# Altium PCB Hall Board.PcbDoc (part 1 of 4)
Units mil, origin at the board's own origin, x right, y up, seen from the top; angles counter-clockwise.
Board outline 5491 x 4230 mil, 4 copper layers (Top Layer, Internal Plane 1, Internal Plane 2, Bottom Layer), stack 18.2 mil thick; 462 components, 334 nets, 1357 pads, 212 vias.
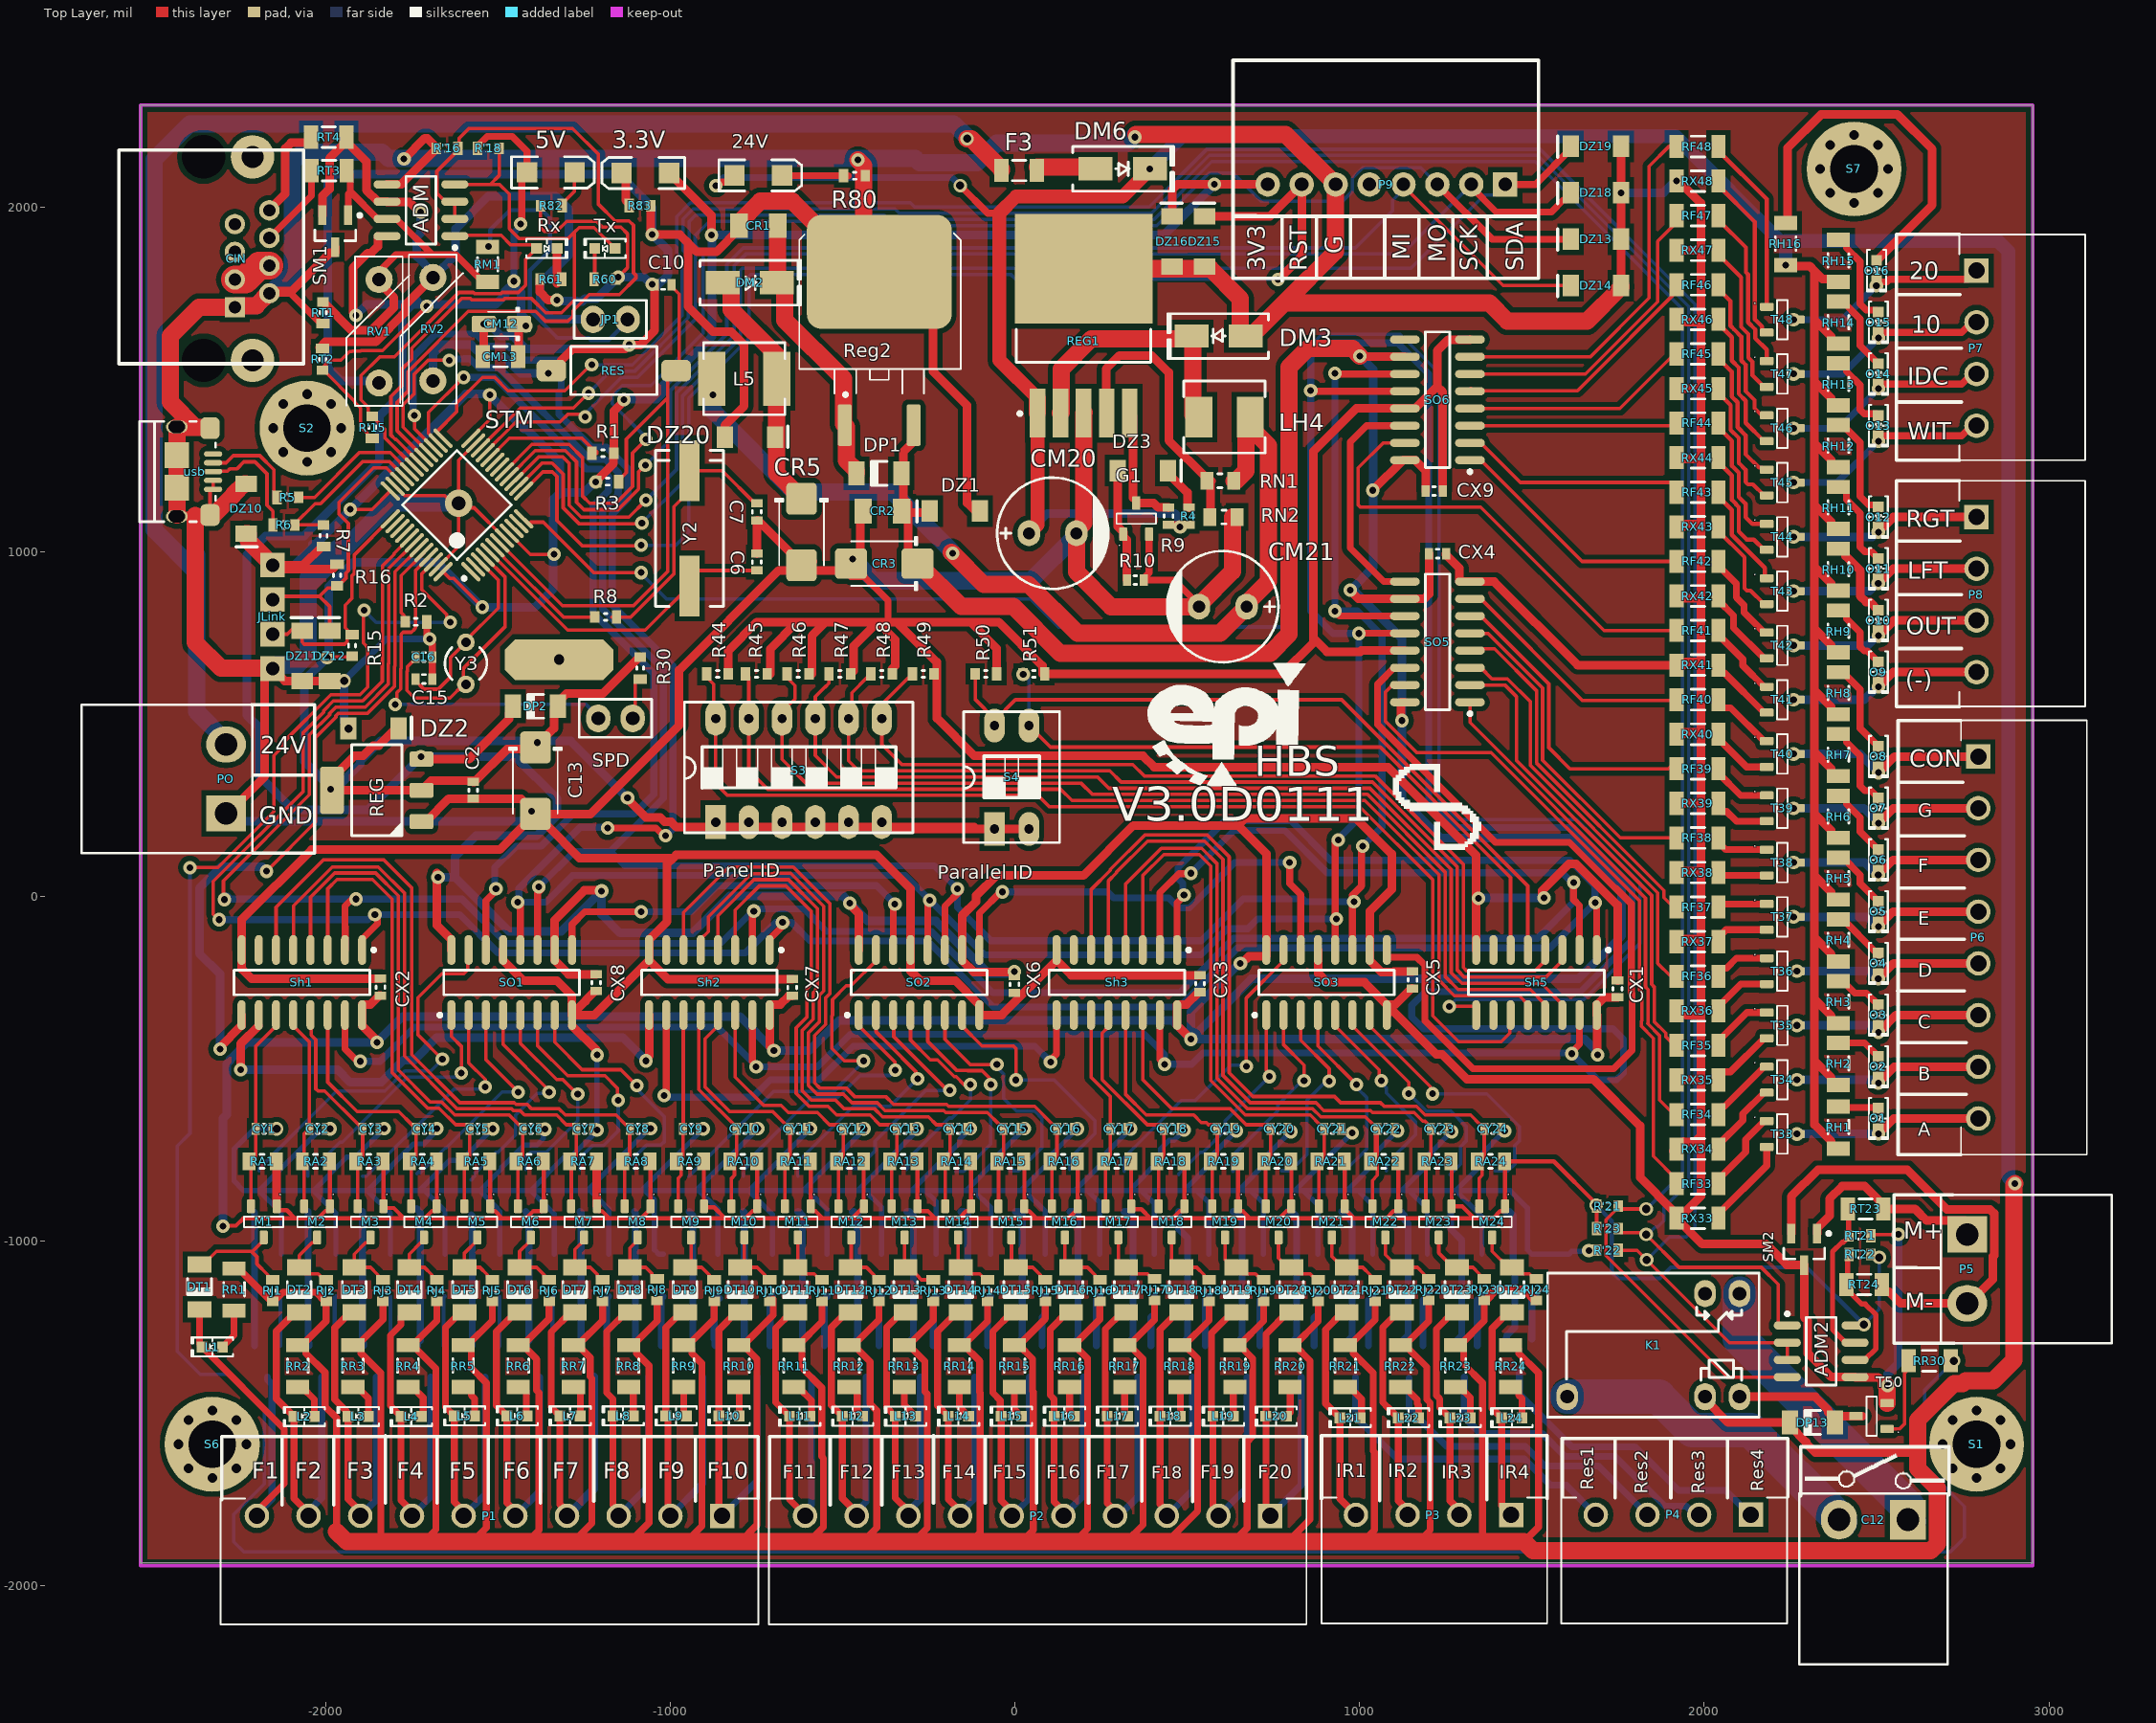
[diagram p0: Top Layer view]
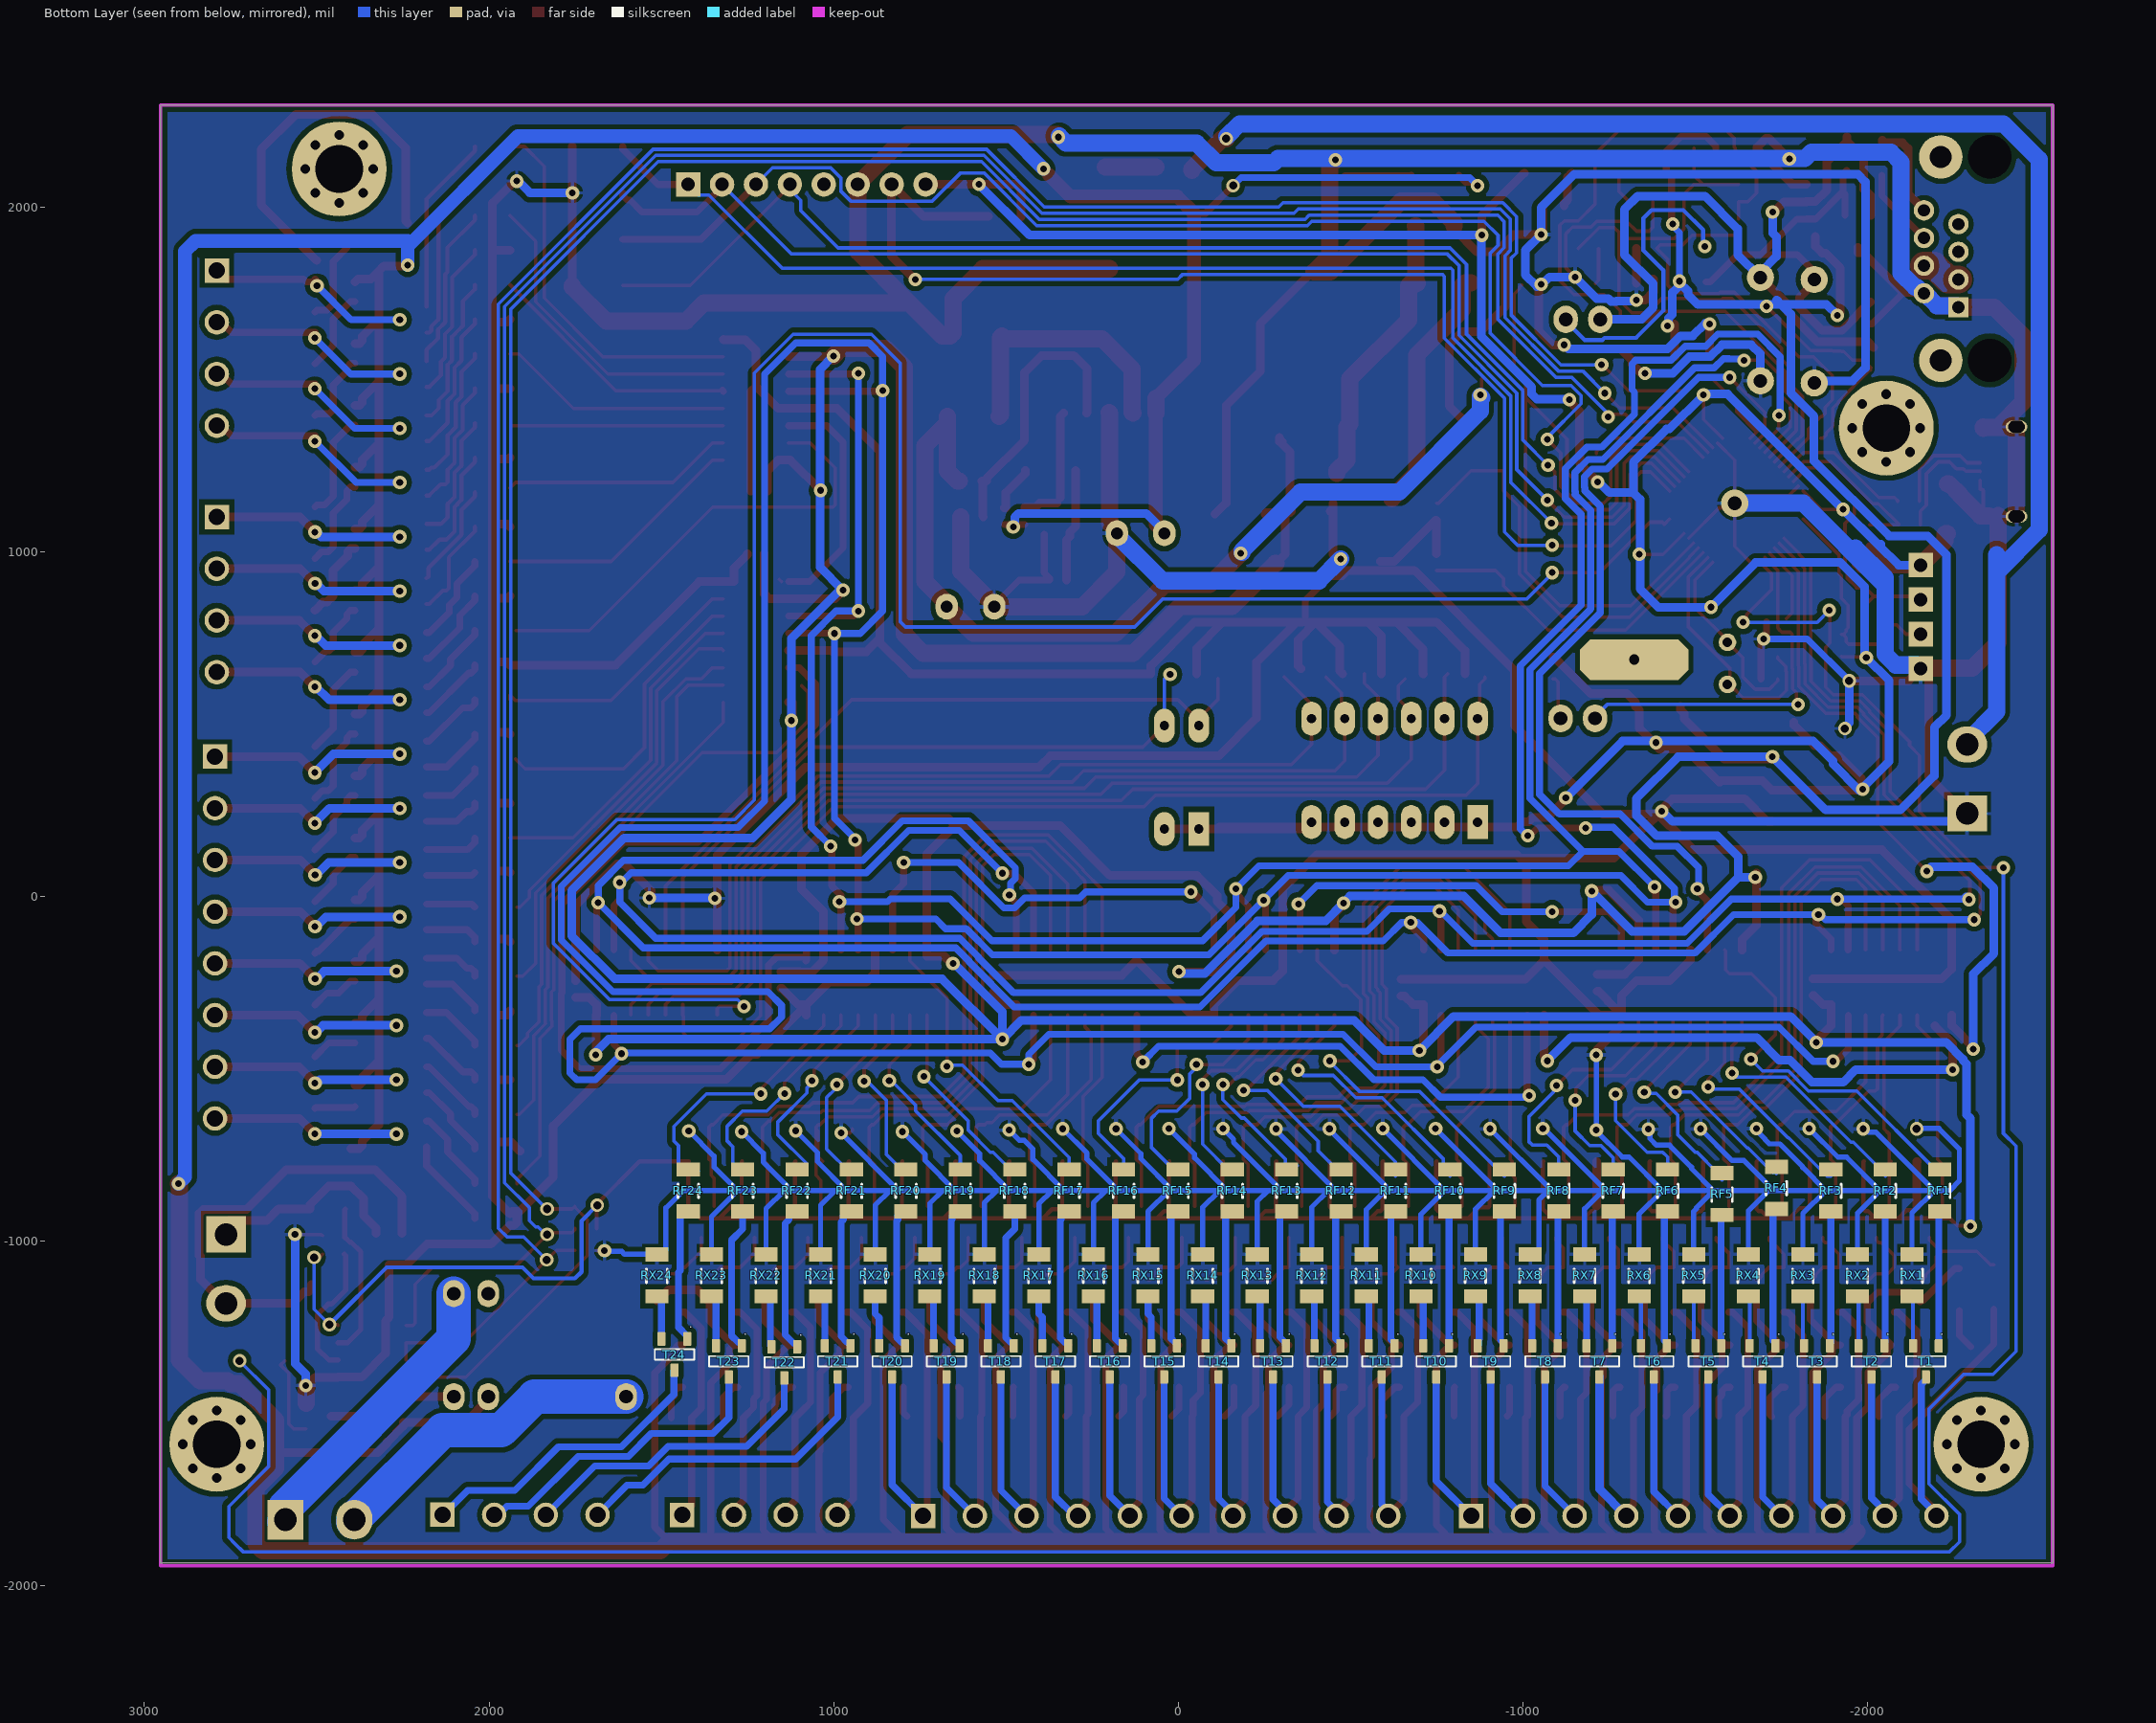
[diagram p1: Bottom Layer view, seen from below]
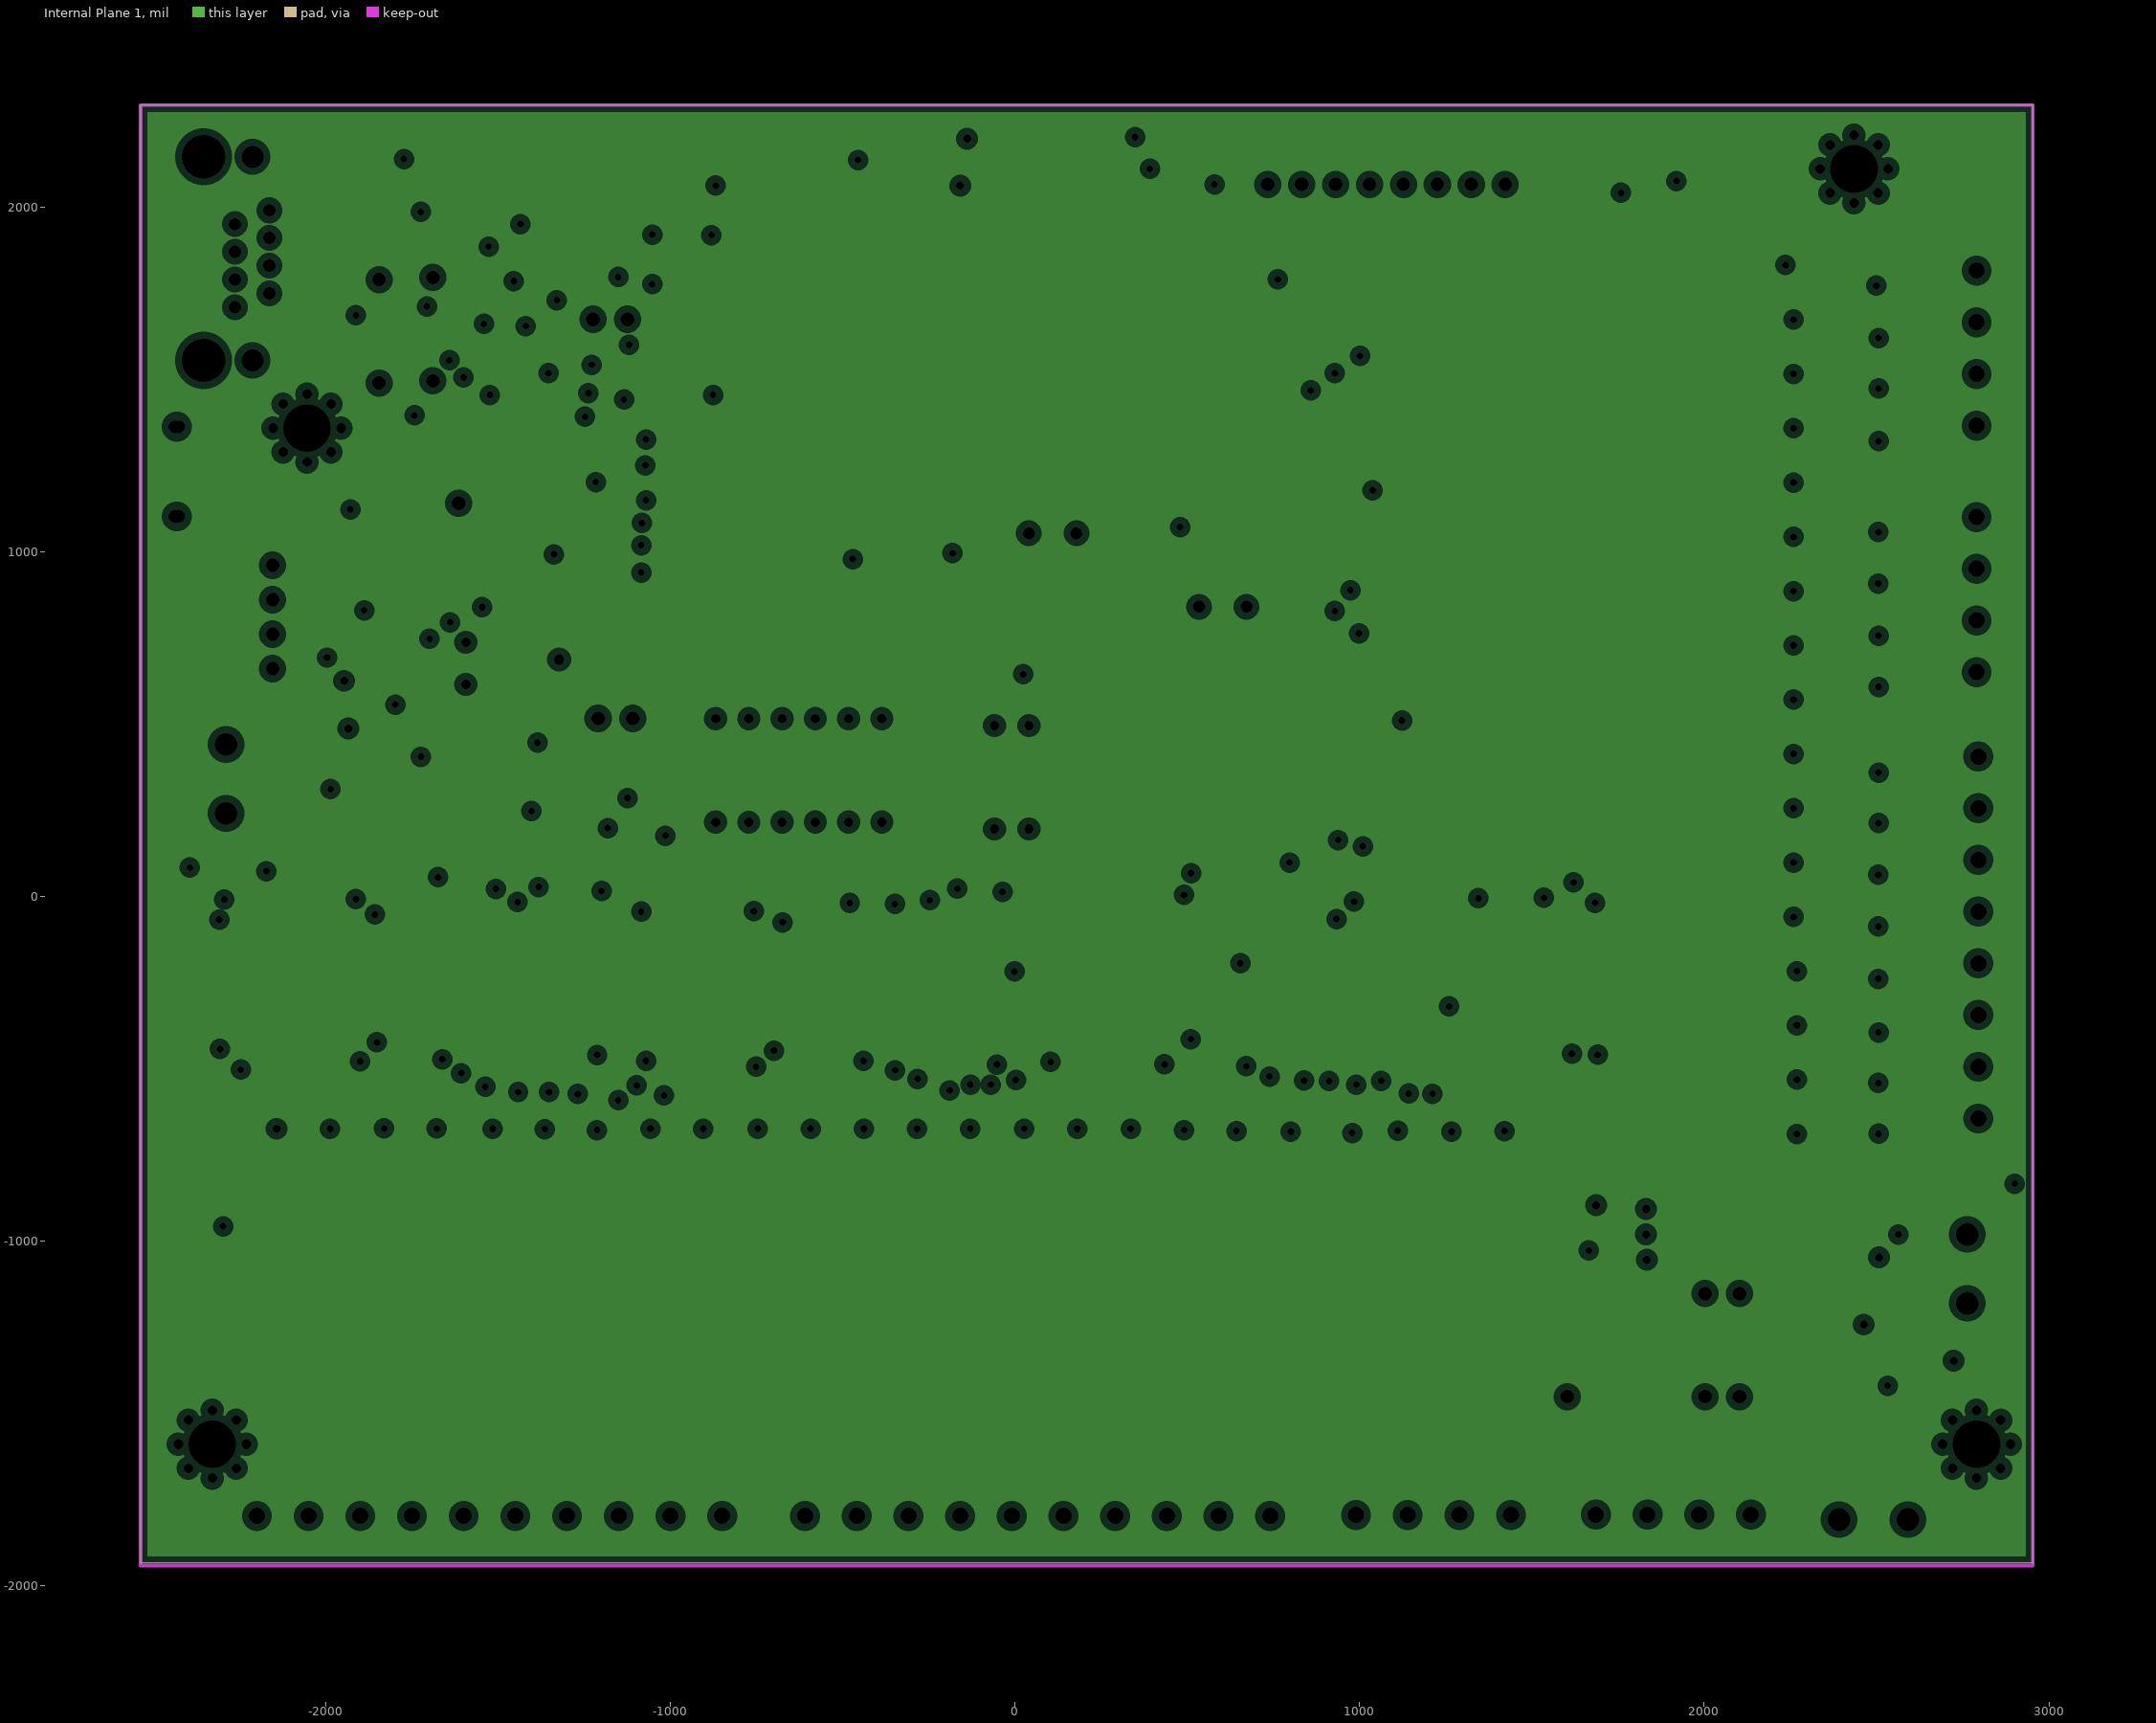
[diagram p2: Internal Plane 1, clearances drawn from the general rule]
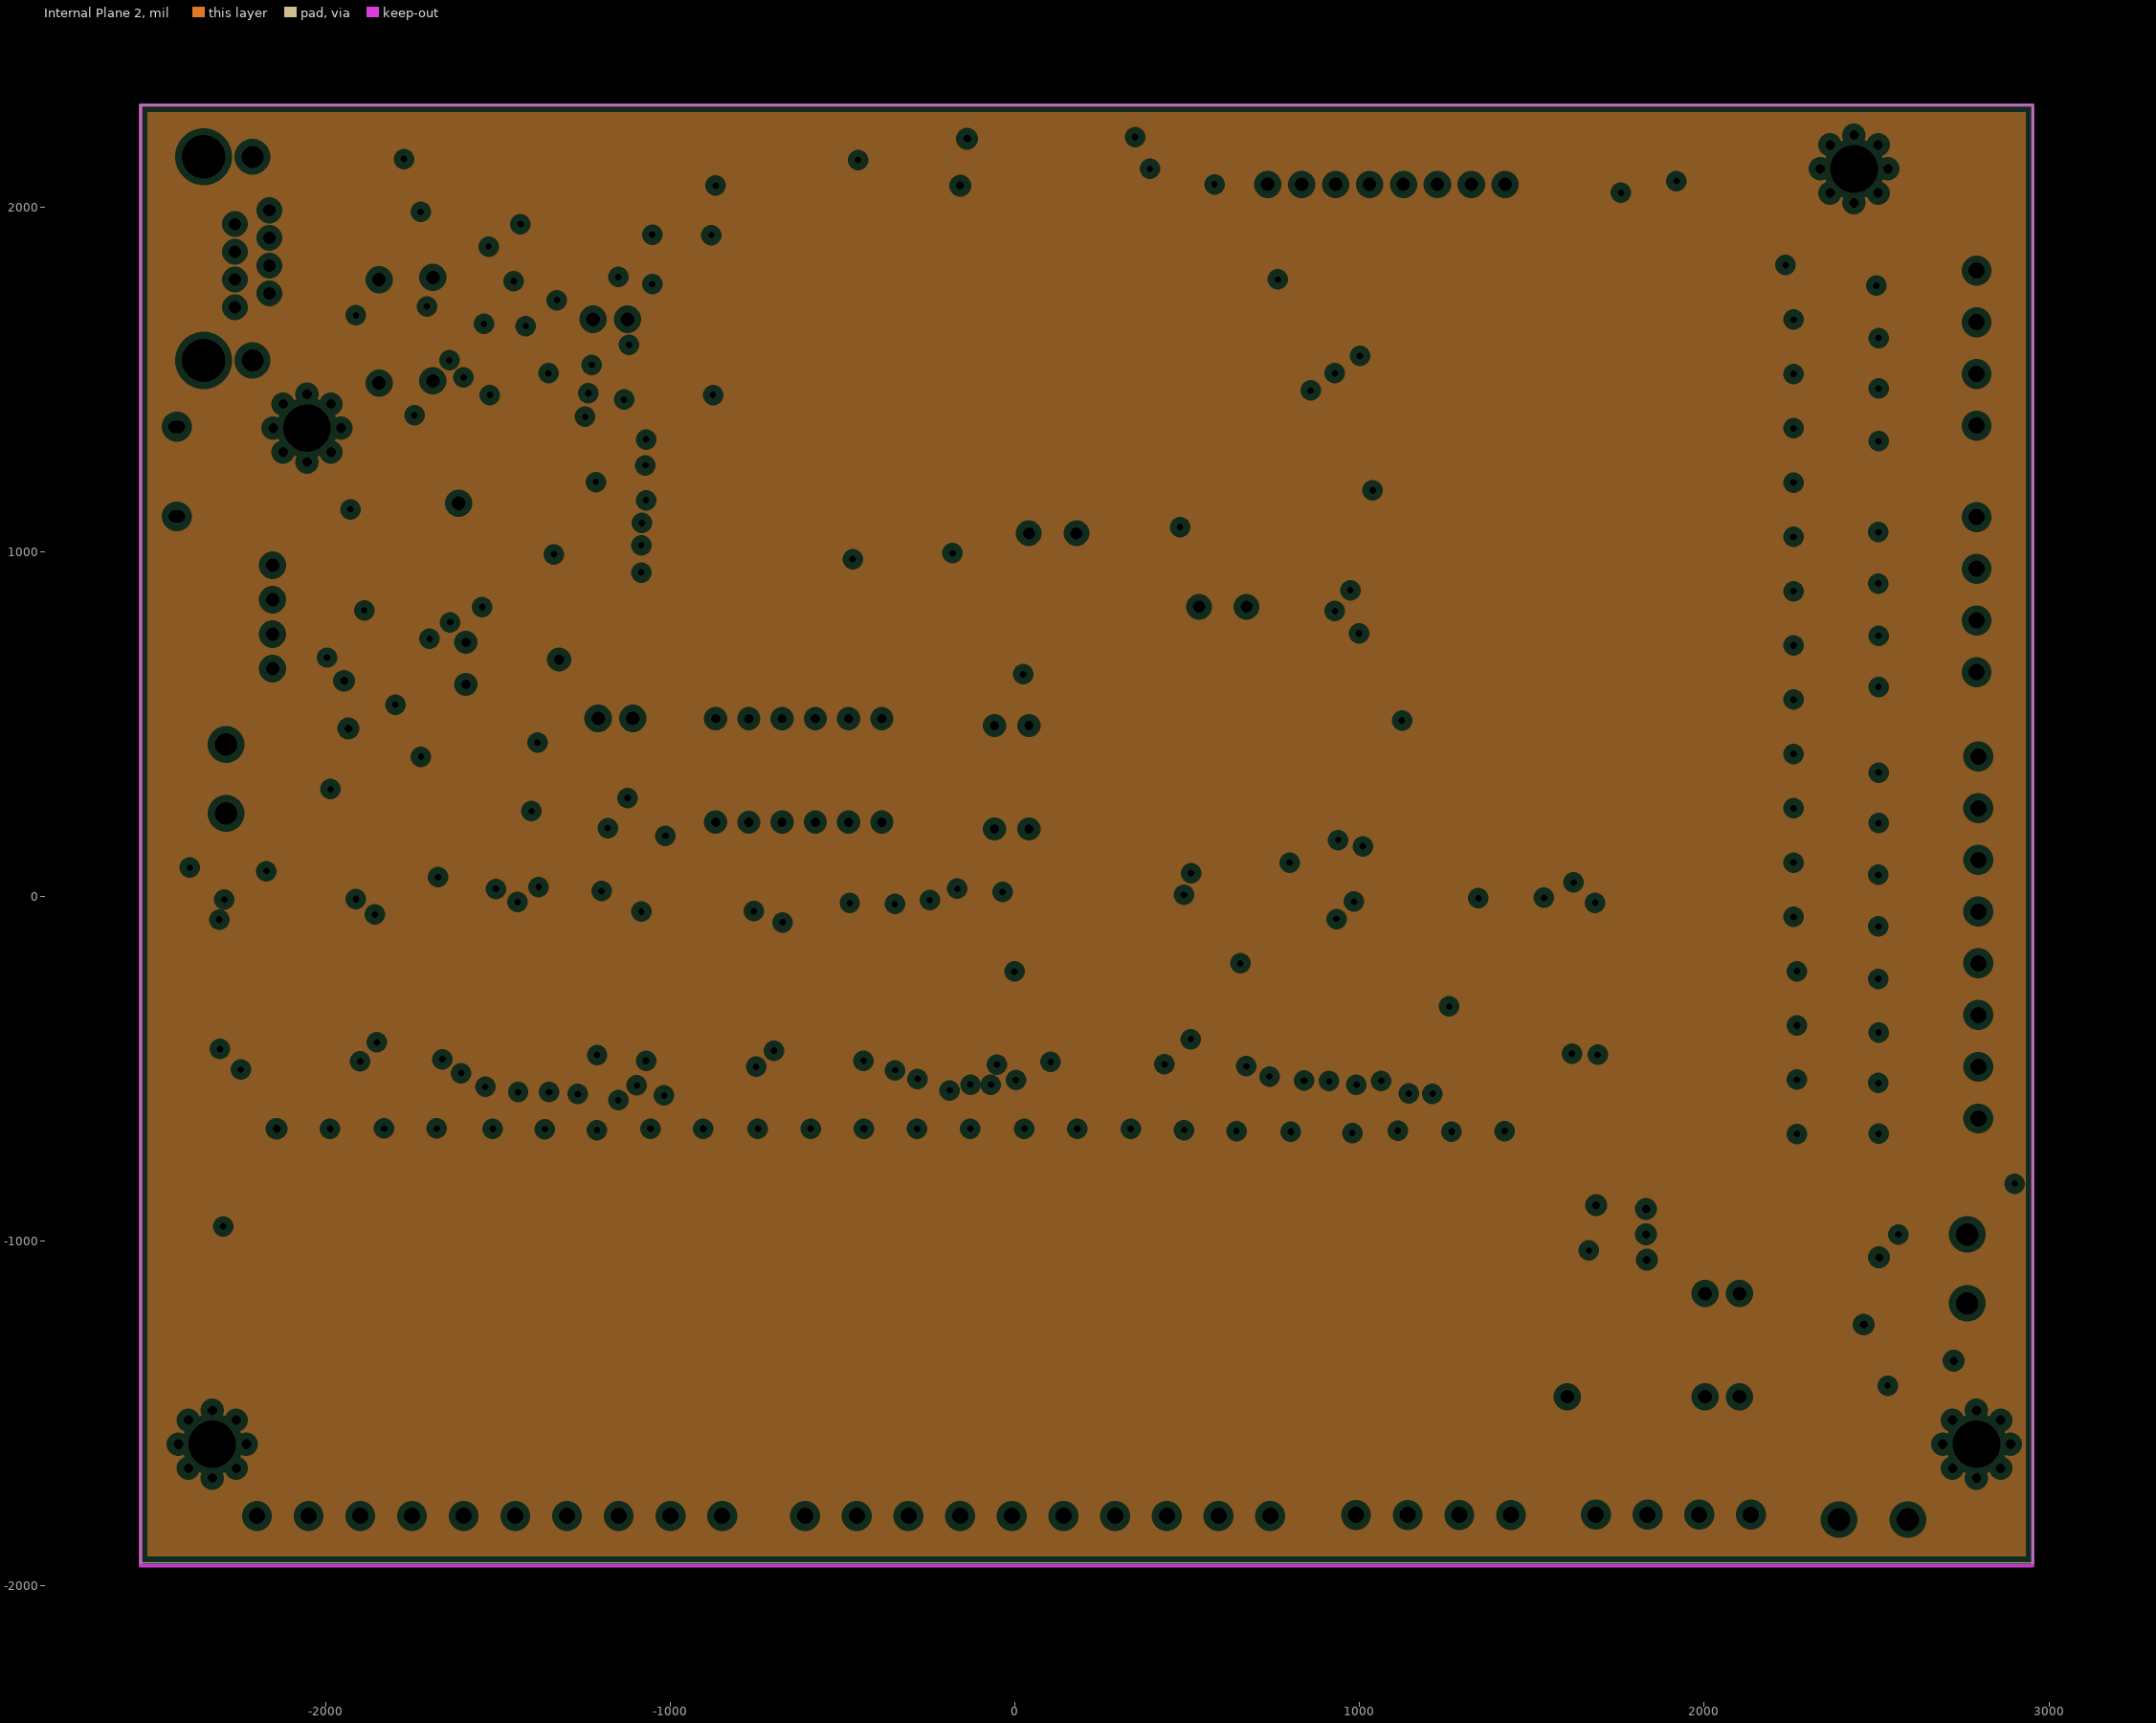
[diagram p3: Internal Plane 2, clearances drawn from the general rule]

## Layer stack, top to bottom
Top Solder: solder mask 0.4, Solder Resist, Dk 3.5
Top Layer: signal copper 1.4
Internal Plane 1: plane copper 1.4
Internal Plane 2: plane copper 1.4
Dielectric 1: dielectric 12.6, FR-4, Dk 4.8
Bottom Layer: signal copper 1.4
Bottom Solder: solder mask 0.4, Solder Resist, Dk 3.5

## Board outline
-2538,-1935 -2538,2295 2953,2295 2953,-1935

## Design rules (kind name [scope] priority, off if disabled: settings)
Clearance [All] p1: gap=7.87 ignorepadtopadclearanceinfootprint=TRUE except(0: Arc-Hole Track-Hole SMDPad-Hole THPad-Hole Via-Hole Fill-Hole Poly-Hole Region-Hole Text-Hole; 15: Arc-Poly Track-Poly SMDPad-Poly THPad-Poly Via-Poly Fill-Poly Poly-Poly)
HoleSize [All] p1: absolutevalues=TRUE maxlimit=200 minlimit=1 maxpercent=80.000 minpercent=20.000
MinimumSolderMaskSliver [All] p1 off: minsoldermaskwidth=10
PlaneClearance [All] p1: clearance=20
PlaneConnect [All] p1: planeconnectstyle=Relief reliefexpansion=20 reliefentries=4 reliefconductorwidth=10 reliefairgap=10
PolygonConnect [All] p1: connectstyle=Relief reliefconductorwidth=10 reliefentries=4 polygonreliefangle="90 Angle" airgapwidth=10
RoomDefinition "Power 8V" [InComponentClass('Power 8V')] p1: confinementstyle=ConfineOut formatcopy=TRUE lockcomponents=FALSE outline 4565,-25 6825,-25 6825,785 4565,785
RoomDefinition "Shift Out" [InComponentClass('Shift Out')] p2: confinementstyle=ConfineOut formatcopy=TRUE lockcomponents=FALSE outline 4090,3280 2775,3280 2775,2635 4090,2635
RoomDefinition Actuator [InComponentClass('Actuator')] p3: confinementstyle=ConfineOut formatcopy=TRUE lockcomponents=FALSE outline 7550,-1355 6470,-1355 6470,-240 7550,-240
RoomDefinition Communication [InComponentClass('Communication')] p4: confinementstyle=ConfineOut formatcopy=TRUE lockcomponents=FALSE outline -2525,3275 -3240,3275 -3240,2565 -2525,2565
RoomDefinition "Power 5V" [InComponentClass('Power 5V')] p5: confinementstyle=ConfineOut formatcopy=TRUE lockcomponents=FALSE outline 2045,3575 950,3575 950,3225 2045,3225
RoomDefinition "Power 3.3V" [InComponentClass('Power 3.3V')] p6: confinementstyle=ConfineOut formatcopy=TRUE lockcomponents=FALSE outline -1733.72,3050 -1733.72,3975 -1035,3975 -1035,3050
RoomDefinition "Mosfet Input" [InComponentClass('Mosfet Input')] p7: confinementstyle=ConfineOut formatcopy=TRUE lockcomponents=FALSE outline -5290,-2150 -3795,-2150 -3795,-835 -5290,-835
RoomDefinition MCU [InComponentClass('MCU')] p8: confinementstyle=ConfineOut formatcopy=TRUE lockcomponents=FALSE outline -3700,5 -3700,1510 -2585,1510 -2585,5
RoomDefinition "Input Connector" [InComponentClass('Input Connector')] p9: confinementstyle=ConfineOut formatcopy=TRUE lockcomponents=FALSE outline -2940,-2680 -3705,-2680 -3705,-3045 -2940,-3045
RoomDefinition "Data Input Memory" [InComponentClass('Data Input Memory')] p10: confinementstyle=ConfineOut formatcopy=TRUE lockcomponents=FALSE outline 6030,410 5505,410 5505,1210 6030,1210
RoomDefinition Config [InComponentClass('Config')] p11: confinementstyle=ConfineOut formatcopy=TRUE lockcomponents=FALSE outline 6175,-1000 5645,-1000 5645,-375 6175,-375
RoutingVias [All] p1: holewidth=23.62 width=39.37 viastyle="Through Hole" minholewidth=19.68 minwidth=30 maxholewidth=43.31 maxwidth=82.68
SilkToBoardRegionClearance [All] p1 off:
SilkToSolderMaskClearance [IsPad] p1 off: minsilkscreentomaskgap=1 clearancetoexposedcopper=TRUE
SolderMaskExpansion [All] p1: expansion=4
UnRoutedNet [All] p1: checkbadconnections=TRUE
Width [All] p1: maxlimit=100 minlimit=10 preferedwidth=10 minimp=50.000000 maximp=50.000000 favimp=50.000000
23 further rules are at their usual default settings.

## Classes and differential pairs
component class "Power 8V": CM20 CM21 CR5 DM3 DZ3 DZ20 G1 L5 LH4 R4 R9 R10 REG1 RN1 RN2
component class "Shift Out": CX4 CX5 CX6 CX7 CX8 SO1 SO2 SO3 SO5 SO6
component class Actuator: O1 O2 O3 O4 O5 O6 O7 O8 O9 O10 O11 O12 O13 O14 O15 O16 RF1 RF2 RF3 RF4 RF5 RF6 RF7 RF8 RF9 RF10 RF11 RF12 RF13 RF14 RF15 RF16 RF17 RF18 RF19 RF20 RF21 RF22 RF23 RF24 RF33 RF34 RF35 RF36 RF37 RF38 RF39 RF40 RF41 RF42 RF43 RF44 RF45 RF46 RF47 RF48 RH1 RH2 RH3 RH4 RH5 RH6 RH7 RH8 RH9 RH10 RH11 RH12 RH13 RH14 RH15 RH16 RX1 RX2 RX3 RX4 RX5 RX6 RX7 RX8 RX9 RX10 RX11 RX12 RX13 RX14 RX15 RX16 RX17 RX18 RX19 RX20 RX21 RX22 RX23 RX24 RX33 RX34 RX35 RX36 RX37 RX38 RX39 RX40 RX41 RX42 RX43 RX44 RX45 RX46 RX47 RX48 T1 T2 T3 T4 T5 T6 T7 T8 T9 T10 T11 T12 T13 T14 T15 T16 T17 T18 T19 T20 T21 T22 T23 T24 T33 T34 T35 T36 T37 T38 T39 T40 T41 T42 T43 T44 T45 T46 T47 T48
component class "Power 3.3V": 3.3V C2 C13 DP2 DZ2 R83 REG
component class "Mosfet Input": CY1 CY2 CY3 CY4 CY5 CY6 CY7 CY8 CY9 CY10 CY11 CY12 CY13 CY14 CY15 CY16 CY17 CY18 CY19 CY20 CY21 CY22 CY23 CY24 DT1 DT2 DT3 DT4 DT5 DT6 DT7 DT8 DT9 DT10 DT11 DT12 DT13 DT14 DT15 DT16 DT17 DT18 DT19 DT20 DT21 DT22 DT23 DT24 L1 L2 L3 L4 L5 L6 L7 L8 L9 L10 L11 L12 L13 L14 L15 L16 L17 L18 L19 L20 L21 L22 L23 L24 M1 M2 M3 M4 M5 M6 M7 M8 M9 M10 M11 M12 M13 M14 M15 M16 M17 M18 M19 M20 M21 M22 M23 M24 RA1 RA2 RA3 RA4 RA5 RA6 RA7 RA8 RA9 RA10 RA11 RA12 RA13 RA14 RA15 RA16 RA17 RA18 RA19 RA20 RA21 RA22 RA23 RA24 RJ1 RJ2 RJ3 RJ4 RJ5 RJ6 RJ7 RJ8 RJ9 RJ10 RJ11 RJ12 RJ13 RJ14 RJ15 RJ16 RJ17 RJ18 RJ19 RJ20 RJ21 RJ22 RJ23 RJ24 RR1 RR2 RR3 RR4 RR5 RR6 RR7 RR8 RR9 RR10 RR11 RR12 RR13 RR14 RR15 RR16 RR17 RR18 RR19 RR20 RR21 RR22 RR23 RR24
component class MCU: C6 C7 C10 C12 C15 C16 DP13 DZ10 DZ11 DZ12 JLink K1 R1 R2 R3 R5 R6 R7 R8 R15 R16 R30 RES RR30 SPD STM T50 usb Y2 Y3
component class "Input Connector": 24V CIN DM6 DZ13 DZ14 DZ15 DZ16 DZ18 DZ19 F3 P1 P2 P3 P4 P5 P6 P7 P8 P9 PO R80 S1 S2 S6 S7
component class "Data Input Memory": CX1 CX2 CX3 Sh1 Sh2 Sh3
component class Communication: ADM ADM2 CM12 CM13 JP1 R60 R61 R'15 R'16 R'18 R'21 R'22 R'23 RM1 RT1 RT2 RT3 RT4 RT21 RT22 RT23 RT24 RV1 RV2 Rx SM1 SM2 Tx
component class Config: CX9 R44 R45 R46 R47 R48 R49 R50 R51 S3 S4 Sh5
component class "Power 5V": 5V CR1 CR2 CR3 DM2 DP1 DZ1 R82 Reg2

## Components (designator, comment, footprint, x,y, rotation, side; value= is the part's Value field where it differs from the comment)
3.3V "RED" "LED SMD 1206" -1073.46,2098 r180 top
5V "RED" "LED SMD 1206" -1347.62,2100 r0 top
24V "RED" "LED SMD 1206" -745.58,2091.13 r0 top